# Allegro board board_orcad.brd (continued)
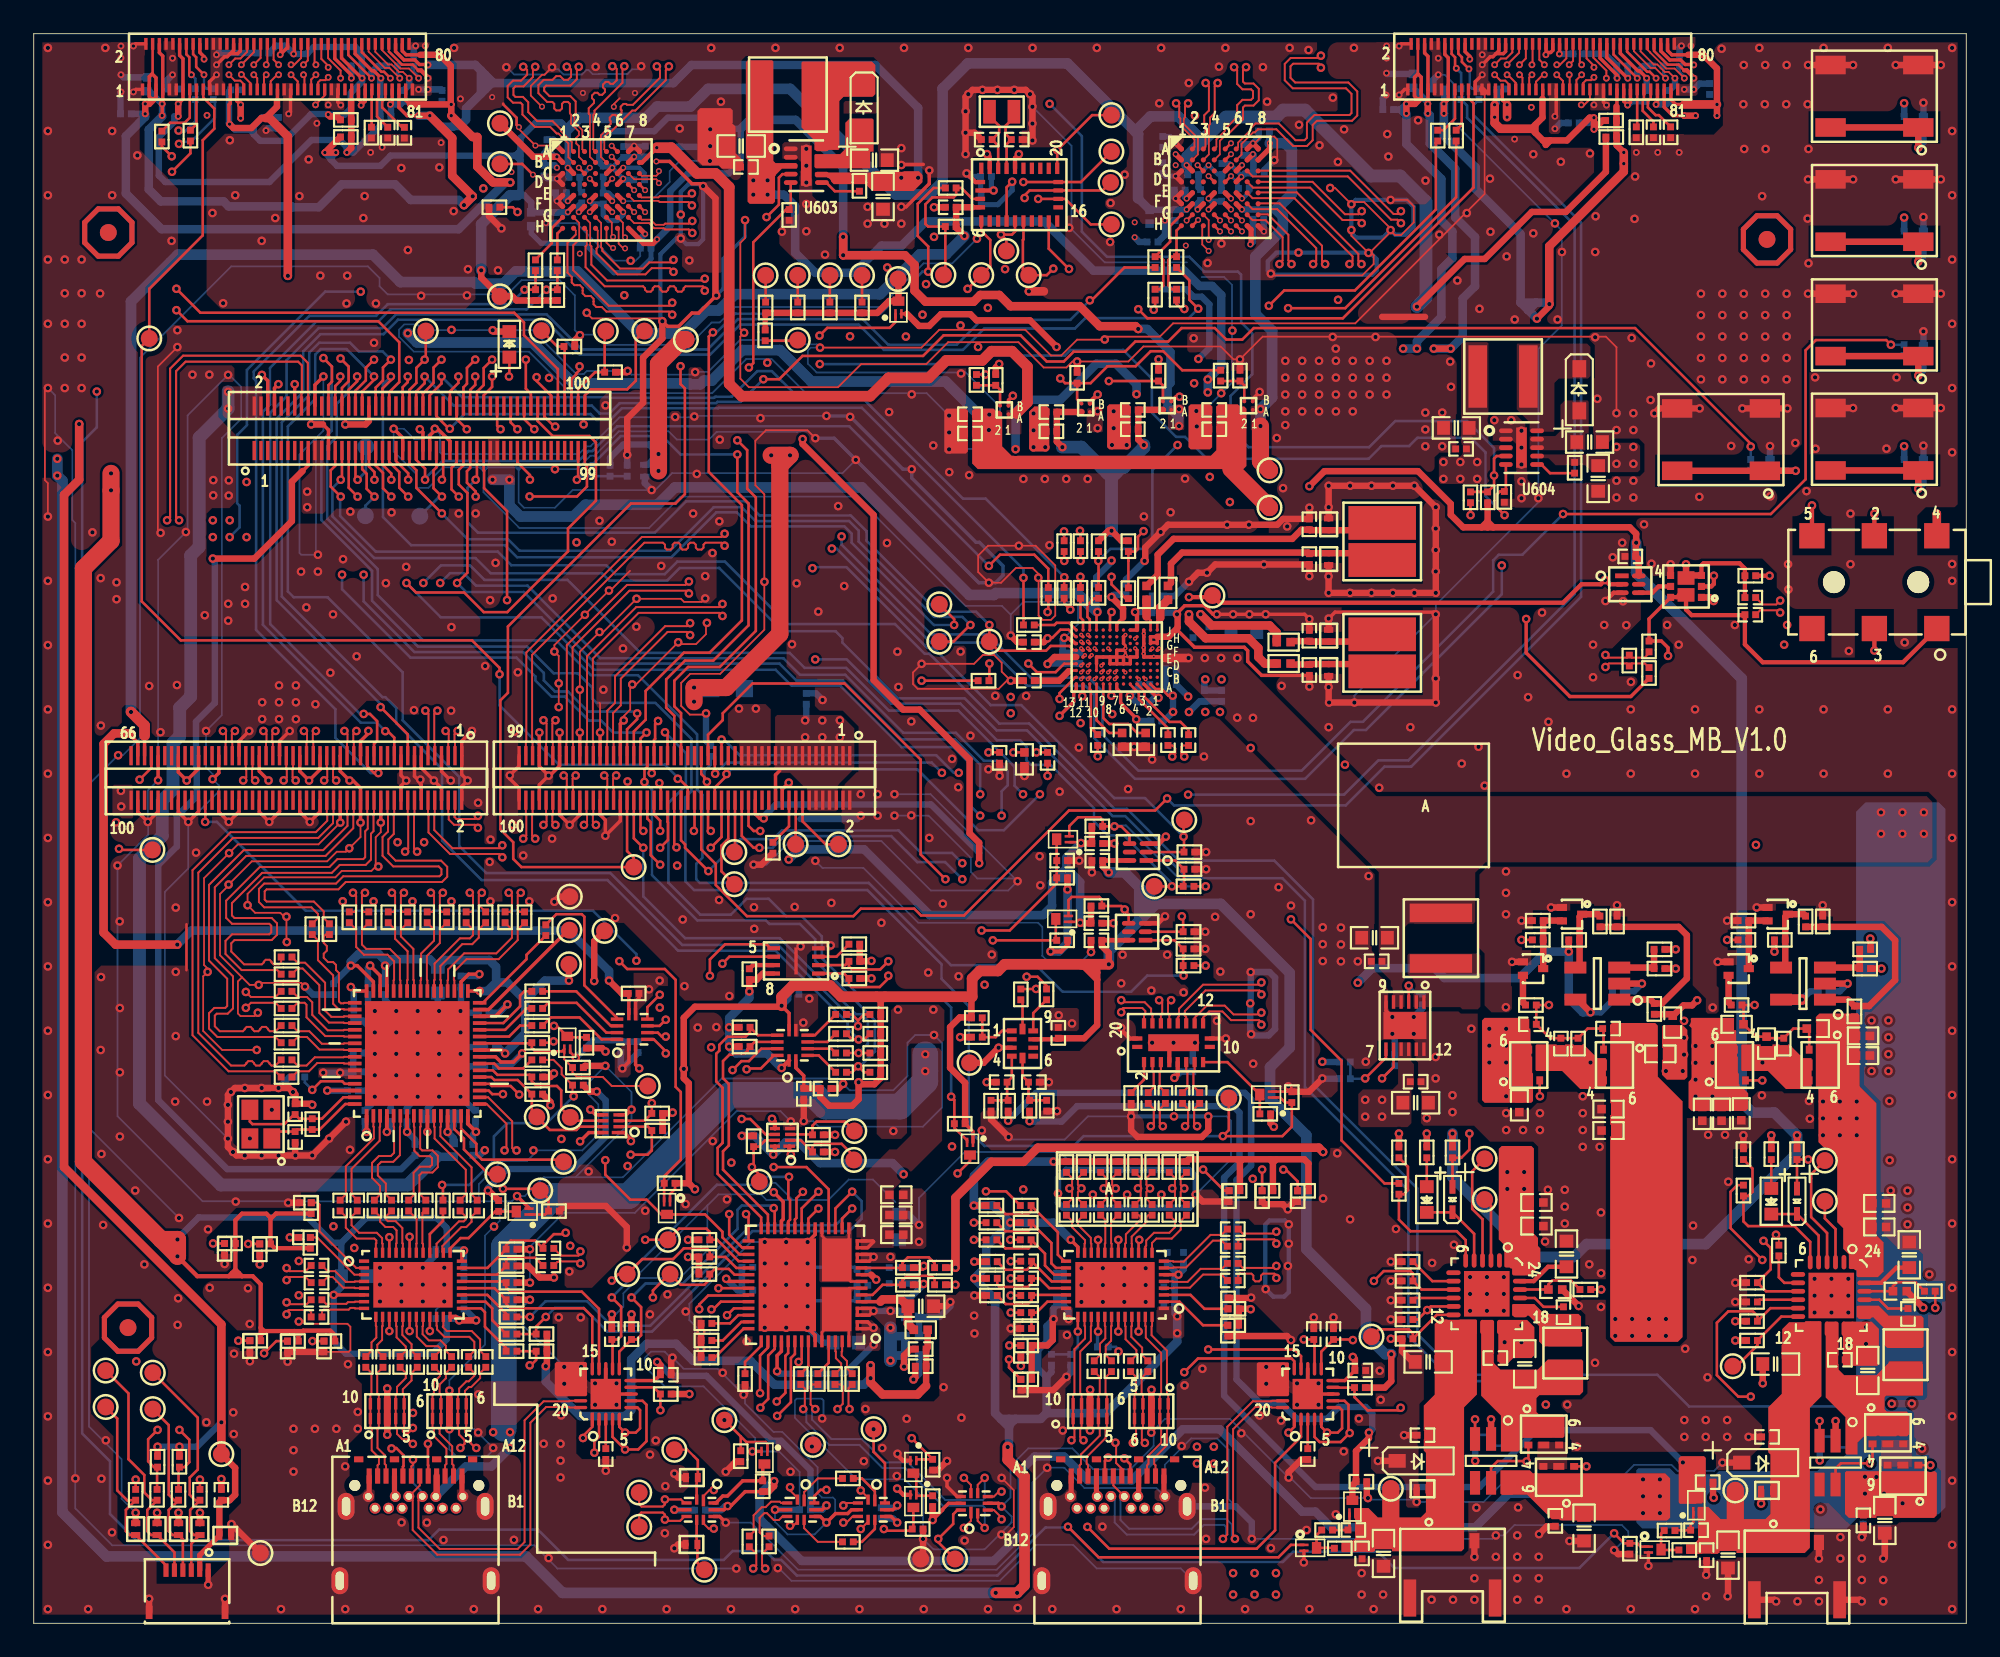
[diagram p0: board, top side]
## Nets (continued)
N1486396: C420.1 U401.5
N1486400: C421.1 U401.4
N1487145: C422.1 U401.8
N1487149: C423.1 U401.7
N1490856: C414.2 U401.19
N1491525: C415.2 U401.18
N1594937: C1003.1 U1001.B9
N1595683: C1003.2 U1001.B10
N1597637: C1005.1 U1001.A10
N1598389: C1004.1 U1001.A9
N1601393: C1006.2 U1001.A11
N1602917: C1006.1 U1001.B11
N1605053: C1007.1 U1001.C11
N1611847: R1005.2 U1001.F2
N1612628: R1006.2 U1001.F1
N1613411: R1007.2 U1001.J2
N1614196: R1008.2 U1001.J1
N1664769: C1001.1 U1001.D13 U1001.H13 U1001.J8
N1676321: C1002.1 U1001.C12
N1725409: C417.2 U401.9
N1726123: C416.2 U401.10
N1828671: C513.2 R509.2 U501.25
N1995411: R809.2 R810.2 U801.6
N2002496: R811.2 R812.2 U801.10
N3079043: C418.2 U401.13
N3080031: C419.2 U401.12
N3131959: C403.1 U402.3
N3190992: C525.2 U503.3
N3192158: C526.2 U503.4
N3193999: C527.2 U503.7
N3195170: C528.2 U503.8
N3228420: R525.2 U503.2
N3289478: C532.1 U504.3
N3400514: R513.1 R514.1 U501.29
N3513315: R1015.1 U1001.J12
N3674479: C1014.1 J1001.1 R1005.1 T1004.2
N3674483: C1013.1 J1001.2 R1006.1 T1003.2
N3685745: C1011.1 J1002.2 R1008.1 T1001.2
N3686654: C1012.1 J1002.1 R1007.1 T1002.2
N3956842: C517.1 U501.34
N3956846: C518.1 U501.33
N3960007: R516.1 R518.1 U501.26
N3960011: R515.1 R517.1 U501.27
N4063856: U1002.5 U1003.4
N4320964: C819.1 Q806.4 Q806.7 Q807.4 Q807.7 R840.2 R841.2
N4330009: C818.2 C819.2 C820.2 Q806.3 Q807.3 R840.1 R847.2
N4379007: R841.1 R843.2 U808.3
N4402137: R839.1 R844.2 R845.2 U808.1
N4405681: Q803.3 Q804.1 R846.1 R848.2
N4413317: Q803.1 R842.1 R845.1 U808.4
N4419707: Q804.3 R847.1
N4426529: C827.2 C828.2 C829.2 Q801.3 Q802.3 R850.1 R851.2
N4426571: R849.1 R855.2 R856.2 U807.1
N4426701: R857.2 R858.1 U807.3
N4426727: Q805.1 Q812.3 R852.2 R853.1
N4426765: Q805.3 R851.1
N4426875: C828.1 Q801.4 Q801.7 Q802.4 Q802.7 R850.2 R858.2
N4427111: Q812.1 R854.1 R855.1 U807.4
N4609948: C812.2 R813.2 U801.5
N4905545: R808.2 U801.55
N4905795: R807.2 U801.54
N4910945: R805.2 U801.50
N4911197: R806.2 U801.53
N5005255: Q903.4 Q903.7 Q906.4 Q906.7
N5119881: L801.2 U803.1 U803.2
N5481925: C603.1 D601.2 U603.8 U603.9
N5493847: R610.1 U603.6
N5542711: C607.1 D602.2 U604.8 U604.9
N5542719: R608.1 U604.6
N5566951: D602.1 L602.2 U604.10
N5572453: D601.1 L601.2 U603.10
N6192870: Q701.2 R706.1 R707.2 U703.4
N6558933: Q702.2 R709.1 R710.2 U704.4
N8353086: C1104.1 U1101.27 X1101.1
N8353178: R1109.1 R1110.1 TP1111.1 U1101.4
N8353236: C1105.1 U1101.26 X1101.2
N8353280: C1103.1 U1101.9
N8518121: R523.1 R524.1 U501.23
N8519947: R512.1 U501.32
N8557259: Q808.3 Q811.1 R820.2
N8604298: C1008.1 U1001.A5
N8605305: C1009.1 U1001.A4
N8711936: R819.2 U803.8
N8787935: R815.2 U802.3
N8811803: R814.2 U802.7
N8895024: R1003.2 U1001.H12
N8896588: R1004.2 U1001.F12
N8909823: C903.2 U901.23
N9698835: J1102.1 J1102.2 R1102.2 T1102.2
N9700770: J1101.1 J1101.2 R1101.2 T1101.2
N9701649: J1104.1 J1104.2 R1104.2 T1104.2
N10102285: J1103.1 J1103.2 R1103.2 T1103.2
N10154362: J1105.4 R1106.1 T1107.2 TP1103.1
N10154374: J1105.3 R1105.1 T1106.2 TP1102.1
N10154418: J1105.5 R1107.1 T1108.2 TP1104.1
N10154492: J1105.6 R1108.1 T1109.2 TP1105.1
N10693033: R1013.1 U1001.J13
N10693334: R1014.1 U1001.G11
N10697228: R1016.1 U1001.F10
N10697531: R1017.1 U1001.H11
N11232422: C911.2 R911.2 U902.22
N11232438: C910.2 L902.1 U902.19 U902.20
N11232558: C909.2 U902.23
N11232708: C913.2 C914.1 L902.2 Q904.1 Q904.2 Q904.5 Q904.6 Q904.8 U902.15 U902.16 U904.1
N11232828: C910.1 U902.21
N11232848: R908.2 U902.8
N11232852: R909.2 U902.10
N11232942: R911.1 R912.1 U902.11
N11506579: R1002.2 U1001.J11
N11507602: R1001.2 U1001.F8
N11540690: J601.14 R623.1
N11551758: J601.15 R611.1
N11552429: J601.16 R612.1
N11553825: J601.17 R613.1
N11562122: J602.17 R621.1
N11562797: J602.16 R620.1
N11563473: J602.15 R619.1
N11564150: J602.14 R618.1
N11717787: R904.2 R918.2 U901.6
N11749043: R406.1 U401.21
N11749394: R407.1 U401.22
N11749746: R408.1 U401.23
N11750099: R409.1 U401.32
N12644389: R632.1 U602.H1
N12645126: R631.1 U602.G1
N13634046: R910.2 R914.2 U902.6
N13822389: R933.2 TP905.1 U902.12
N13825666: R934.2 TP906.1 U901.12
N13955692: Q904.3 Q905.3 U904.5
N13955736: Q904.4 Q904.7 Q905.4 Q905.7
N14056750: R921.2 R922.2 U904.3
N14059137: R919.2 R920.2 U903.3
N14207457: C435.2 U401.16
N14208601: C434.2 U401.15
N14444558: LED301.1 R923.2
N14453922: LED302.1 R925.2
N14469500: J302.79 LED304.1
N14536845: Q402.3 R930.2 R937.2
N14559099: Q403.3 R931.2 R938.2
N14625751: C926.1 R928.1 R929.2 U905.5
N14625807: C925.1 R926.1 R927.2 U905.4
N14641767: J301.16 TP301.1
N14642830: J301.18 TP302.1
N14646052: J301.36 TP313.1
N14647131: J301.38 TP314.1
N14695233: R917.1 U905.9
N14695567: R907.1 U905.10
N14897144: J1106.1 J1106.2 R1111.2 T1110.2
N14915482: Q405.3 R437.2 U403.10
N15279169: R724.1 R727.2 U711.B2
N15283828: R723.2 R725.1 U710.B2
N15459534: R740.1 U705.44
N15459870: R741.1 U705.43
N15460207: R742.1 U705.42
N15460545: R743.1 U705.41
N15460884: R744.1 U705.40
N15461224: R745.1 U705.39
N15461565: R746.1 U705.38
N15461907: R747.1 U705.37
N15462250: R748.1 U705.36
N15463405: R749.1 U705.35
N15727685: TP907.1 U901.3
N15728930: TP908.1 U901.4
N15730580: TP910.1 U902.3
N15731829: TP909.1 U902.4
N15812820: R859.2 R860.1 U803.7
N16283960: R935.2 R936.2 U905.1
N16522035: R694.1 U602.D5
N16524234: R684.1 U601.D5
N16591790: TP716.1 U705.14
N16594066: TP717.1 U705.15
N16795487: R433.1 U405.7
N16795489: R432.1 U405.1
N16795507: R431.1 U404.5
N16795509: R430.1 U404.3
N16856712: C936.2 Q809.1 R937.1
N16875670: C937.2 Q810.1 R938.1

Pads without a net: J301 26 28 35 37 47 49 57; J302 1 3 5 7 9 10 11 12 13 15 22 44 58 72 75 76 77 80 81 83 85 87 89 91 93 95; J501 23 25 46 48 52 54 58 60 64 66 70 72 75 76 77 81 82 83 84 87 88 89 90 94 96 99; J601 20 26 61; J602 20 26 61; J1003 6; NOREF 1; NOREF#2 1; NOREF#3 1; NOREF#4 1; NOREF#5 1; NOREF#6 1; U401 1; U503 1 10; U601 C4 D2 D3 E3; U602 C4 D2 D3 E3; U703 5; U704 5; U901 2 7; U902 2 7; U903 4; U904 4; U905 2 6 7; U1001 A1 A6 B1 B2 B5 B6 C1 C2 C3 C4 C5 D1 D2 D3 D4 F5 F9 G4 G5 G7 G8 G9 G10 H5 H7 H8 H9 H10 J6 J9; U1003 1 5; U1101 1 7 8 12 13 15 16 21 22 23 24

## Via types
v1: diameter 0.508, hole 0.254, TOP to BOTTOM, 2157 vias
v2: diameter 0.356, hole 0.203, TOP to BOTTOM, 94 vias
v3: diameter 0.254, hole 0.102, TOP to GND02, 38 vias
v4: diameter 0.406, hole 0.203, GND02 to GND07, 13 vias
v5: diameter 0.406, hole 0.203, TOP to BOTTOM, 158 vias

## Routing (per net, layer and track width the routed paths; a pad name or vN(x,y) marks a point on that pad's centre or on a via; arc(x,y) is an arc through that point)
GND: length 5946.5
  TOP w0.102: v2(72.27,87.74) 72.38,87.74 72.77,88.14 73.53,88.14 73.71,87.96 73.71,86.92 v1(73.53,86.74) ; v1(79.12,81.24) 78.11,82.26 v1(78.11,82.6) ; v1(57.37,8.62) 58.09,7.89 58.09,5.7 57.65,5.26 v1(57.36,5.26) ; v1(16.08,37.74) 15.86,37.96 13.45,37.96 v1(13.34,37.85) 12.8,37.85 12.35,38.3 ; 86,90.78 86,84.73 78.33,77.06 67.54,77.06 66.75,76.28 63.65,76.28 v1(63.48,76.11) 63.47,76.1 61.85,76.1 60.91,75.16 60.3,75.16 58.78,76.68 53.68,76.68 52.62,75.63 v1(46.61,75.63) ; v1(39.85,53.94) 39.78,53.87 38.89,53.87 38.38,54.38 38.38,55.75 38.91,56.29 40.69,56.29 43.31,58.9 43.31,66.93 42.77,67.46 42.77,70.1 43.4,70.73 45.86,70.73 v1(46.33,70.26) ; v1(103.28,23.03) 103.44,22.87 R908.1 ; 34.73,90.41 34.39,90.06 v2(34.39,89.9) ; v1(73.33,80.01) 73.43,79.91 78.75,79.91 79.43,80.58 79.43,81.1 79.29,81.24 79.18,81.24 80.43,82.49 80.43,82.56 80.7,82.3 81.05,82.3 81.8,83.05 81.8,84 81.42,84.38 v1(80.43,84.38) ; v1(31.12,54.32) v1(31.12,55.72) 31.12,57.35 v1(30.86,57.61) 30.86,57.99 v1(34.1,61.22) 34.18,61.22 35.35,62.39 ; J601.74 21.05,93.18 ; v1(15.71,17.89) 15.97,17.89 16.1,17.75 18.59,17.75 18.77,17.58 18.77,16.19 18.67,16.09 R417.2 ; v1(39.8,60.76) 39.6,60.55 38.55,60.55 38.36,60.74 v1(35.73,60.74) 33.76,58.77 v1(33.54,58.77) 32.37,57.6 v1(32.37,55.35) v1(32.37,52.81) ; v1(100.41,1.6) 100.43,1.63 ; v1(20.57,47.47) 20.57,46.9 20.27,46.6 20.27,45.02 v1(20.43,44.86) 20.27,44.86 20.02,44.6 18.26,44.6 17.88,44.22 13.66,44.22 12.67,43.24 v1(12.67,42.57) 13.13,42.12 14.62,42.12 14.84,41.89 v1(14.98,41.89) 14.98,40.41 v1(15,40.39) ; 33.53,54.58 33.57,54.54 v1(33.57,52.81) ; v1(13.22,33.99) 11.17,33.99 10.04,35.12 10.04,38.35 v1(10.31,38.62) 10.31,38.81 10.09,39.02 10.09,44.17 v1(11.58,45.66) 12.1,46.18 16.88,46.18 v1(18.17,47.47) ; v1(0.84,73.23) 0.66,73.05 0.66,67.77 0.84,67.59 v1(0.84,65.61) ; 14.62,93 14.65,93.03 ; v2(28.76,88.7) 28.76,88.59 v2(29.74,87.6) 31,87.6 v2(31.01,87.59) ; v1(30.72,92.25) 30.28,91.8 30.13,91.8 29.46,91.14 29.46,90.57 30.12,89.91 v2(30.13,89.91) ; 74.57,31.52 R541.2 ; v1(99.58,7.44) 99.54,7.48 ; 12.35,38.3 11.04,39.6 11.04,43.24 11.55,43.74 v1(11.55,43.79) 12.93,45.17 17.39,45.17 17.96,45.74 18.5,45.74 v1(18.7,45.94) 19.37,46.61 v1(19.37,47.47) ; 12.35,38.3 12.1,38.05 12.1,36.15 12.26,36 13.09,36 v1(13.28,36.2) ; v1(76.85,85.09) 77.14,85.09 v1(78.11,84.13) 78.23,84.25 78.86,84.25 80.43,82.69 v1(80.43,82.59) ; v1(39.9,59.31) 39.85,59.25 39.85,58.64 39.26,58.05 38.31,58.05 v1(38.2,58.16) 35.7,55.66 v1(35.48,55.66) 35.36,55.53 35.36,54.16 34.97,53.78 v1(34.97,53.53) ; v1(37.26,77.19) 37.09,77.36 33.09,77.36 32.78,77.67 v1(32.78,77.69) ; v1(42.16,83.19) 42.16,82.12 41.88,81.84 41.88,76.73 v1(42.11,76.51) 41.88,76.29 41.88,73.79 42.39,73.28 47.68,73.28 49.05,74.65 52.91,74.65 54.2,75.95 58.37,75.95 59.87,74.45 61.21,74.45 61.57,74.8 v1(61.85,74.8) 64.89,74.8 65.78,75.69 70.36,75.69 71.12,74.93 v1(71.5,74.93) 72.85,76.28 93.19,76.28 93.82,75.65 v1(93.82,71.74) ; v1(8.51,75.66) 7.36,74.5 7.36,64.81 v1(7.52,64.64) ; v1(58.39,63.88) 59.39,63.88 60.55,62.71 60.55,59.74 60.3,59.49 59.82,59.49 59.56,59.74 59.56,62.2 59.21,62.56 58.22,62.56 57.34,61.69 v1(56.62,61.69) 55.98,62.32 55.98,63.3 56.57,63.88 v1(58.39,63.88) ; 57.38,56.95 57.38,56.41 v1(57.91,55.88) 57.68,55.88 57.2,55.4 52.4,55.4 52.12,55.68 52.12,56.37 v1(52.63,56.88) 55.74,56.88 56.26,57.4 56.92,57.4 57.38,56.95
  TOP w0.152: Q703.2 31.8,33.86 v1(32.13,33.53) ; J602.66 94.45,93.17 95.64,91.98 95.79,91.98 96.17,91.6 v5(96.17,91.6) ; 65.29,58.37 U1001.H4 ; 21.05,93.18 21.83,92.4 22.47,92.4 22.8,92.06 ; 9.05,41.44 9.05,38.72 ; U1001.F4 65.29,57.79 ; v5(20.02,91.6) 18.65,92.97 J601.62 ; Q503.2 74.57,31.52 ; 27.83,90.09 27.83,90.05 28.62,89.26 28.62,88.83 v2(28.76,88.7) ; U1001.A2 66.39,55.5 66.39,55.5 66.5,55.39 66.86,55.39 67.26,54.99 v1(67.51,54.99) ; J602.62 93.65,93 v5(95.05,91.6) ; J602.74 96.05,93.21 96.86,92.4 97.5,92.4 97.83,92.06 ; v5(21.14,91.6) 21.14,91.6 20.76,91.98 20.61,91.98 19.45,93.14 J601.66 ; U1001.E6 64.71,57.39 ; U1001.G6 64.71,57.97 v3(64.71,57.79) ; U1001.E5 64.82,57.28 v3(64.71,57.39) 64.71,57.57 U1001.F6 64.71,57.79 ; U1001.D10 U1001.C10
  TOP w0.203: v1(58.04,72.77) 57.78,72.51 U710.B1 ; v3(64.71,58.59) 64.6,58.48 U1001.H6 U1001.G6 ; J302.59 24.67,70.08 23.94,70.82 v1(23.77,70.82) 23.77,70.71 23.47,70.41 J302.53 ; J501.98 6.17,48.1 v1(6.76,47.51) 7.37,48.12 J501.92 ; J602.75 96.25,90.12 v5(96.17,90.04) ; v5(5.91,90.78) 6.06,90.93 6.42,90.93 ; J602.44 90.05,93.25 89.92,93.12 89.77,93.12 89.65,93 ; v1(30.52,50.25) 29.97,49.7 J301.94 ; v1(30.52,50.25) 30.59,50.25 31.17,50.83 J301.87 v1(31.17,52.81) ; v1(30.52,50.25) 29.97,50.8 J301.93 v1(29.97,52.81) ; J501.31 19.37,52.3 19.84,52.76 v1(19.84,52.9) ; U404.8 46.63,6.33 v1(46.99,5.97) 47.52,6.5 48.25,6.5 48.48,6.73 U405.4 ; v1(72.67,73) 72.26,72.59 U711.B1 ; J501.13 22.97,50.71 v1(23.72,49.96) 24.17,49.51 J501.8 ; U803.6 80.16,36.32 v1(80.53,35.94) ; U403.8 40.66,6.33 v1(41.02,5.97) ; v1(37.26,77.19) 37.57,76.89 38.23,76.89 39.01,77.67 39.42,77.67 v1(40.46,78.71) ; v5(93.86,91.6) 93.86,91.78 92.85,92.79 J602.58 ; 15.22,90.93 15.22,89.59 v5(15.11,89.48) ; Q402.2 75.29,3.61 v1(75.29,3.61) ; J601.18 9.85,93.12 10.1,92.87 v5(10.1,92.73) ; U702.4 35.12,30.14 v1(35.43,30.45) ; J601.28 11.85,93.25 11.65,93.06 ; U1001.D7 U1001.D6 ; U1001.D7 U1001.D8 U1001.E8 ; U1001.D7 U1001.E7 ; U1001.D6 U1001.D5 U1001.E5 U1001.E4 U1001.F4 ; U1001.D6 U1001.E6 U1001.E7 ; v5(80.93,93.5) 81.07,93.63 J602.2 ; J302.20 16.67,73.41 v1(17.17,73.91) ; U502.8 54.74,7.51 54.14,8.11 v1(54.14,8.62) ; v3(62.31,57.39) 62.31,57.39 U1001.E12 ; v5(18.2,90) 18.02,90.18 18.02,90.93 ; 67.81,59.02 67.81,58.86 68.81,57.86 71.75,57.86 71.96,57.66 71.96,57.02 72.79,56.19 C1014.2 ; v1(15.17,52.9) 14.57,52.3 J501.55 ; J501.26 v1(20.57,47.47) ; J501.79 9.77,50.66 v1(9.07,49.96) 8.57,50.46 J501.85 ; v5(85.86,91.8) 85.45,91.39 J602.21 ; J501.15 22.57,50.22 22.77,50.01 v1(22.92,50.01) 22.92,49.77 22.97,49.71 J501.14 ; Q403.2 v1(95.71,3.4) ; v1(25.97,52.9) 25.37,52.3 J501.1 25.37,50.31 v1(25.72,49.96) 25.37,49.61 J501.2 ; 64.71,57.39 v3(64.71,57.39) ; J501.50 15.77,48.1 v1(16.36,47.51) 16.97,48.12 J501.44 ; J501.86 8.57,48.1 v1(9.16,47.51) 9.77,48.12 J501.80 ; v1(76.76,59.56) 77.14,59.94 82.98,59.94 v1(83.11,59.82) ; v1(61.09,58.42) 61.32,58.42 61.47,58.27 61.55,58.27 61.73,58.08 U1001.G13 ; J301.99 28.77,50.82 v1(28.22,50.27) 28.22,50.06 28.77,49.51 J301.100 ; v5(85.86,92.4) 86.34,92.87 86.49,92.87 86.68,93.06 ; J301.70 34.77,47.57 v1(33.88,46.69) 33.88,47.62 33.57,47.93 J301.76 ; J602.45 90.25,89.41 v5(90.17,89.34) ; U504.8 U504.21 ; 86.68,93.06 87.12,93.06 87.25,93.19 J602.30 ; 86.68,93.06 86.85,93.23 J602.28 ; J501.37 18.17,50.51 v1(18.72,49.96) 18.92,49.96 19.37,49.51 J501.32 v1(19.37,47.47) ; J601.42 14.65,93.03 15.05,93.43 J601.44 ; J501.62 13.37,48.1 v1(13.96,47.51) 14.57,48.12 J501.56 ; U1001.B7 64.2,56.08 v3(64.09,55.97) ; J602.42 89.65,93 ; 89.65,93 v5(89.64,92.99) ; J501.49 15.77,50.51 v1(16.32,49.96) 16.97,50.61 J501.43 ; J601.75 21.25,90.15 v5(21.14,90.04) ; 6.62,93.63 6.04,93.63 v5(5.91,93.5) ; v1(75.62,59.53) 75.33,59.82 v1(73.03,59.82) v1(72.06,59.82) v1(71.09,59.82) v1(70.13,59.82) 69.9,59.82 69.39,60.33 68.22,60.33 67.81,59.91 67.81,59.88 67.77,59.84 v1(67.77,59.82) ; J301.88 31.17,47.93 v1(31.77,47.33) 32.37,47.93 J301.82 ; Q404.2 29.36,24.62 v1(28.65,25.32) ; 10.42,90.93 10.42,91.39 v5(10.83,91.8) ; J501.61 13.37,50.51 v1(13.92,49.96) ; U1001.D10 U1001.E10 U1001.E9 U1001.E8 ; J301.81 v1(32.37,52.81) ; v5(14.61,92.99) 14.62,93 ; v1(24.72,49.96) 24.17,50.51 J501.7 ; J601.58 17.85,92.76 18.83,91.78 v5(18.83,91.6) ; v5(80.93,90.6) 81.26,90.93 J602.1 ; v1(39.68,85.2) 39.54,85.34 39.01,85.34 37.69,86.66 v2(36.91,86.66) ; J301.69 34.77,53.33 v1(34.97,53.53) ; J302.45 21.87,70.28 v1(21.34,70.82) ; J501.19 21.77,50.26 v1(22.08,49.96) 21.77,49.65 J501.20 ; 64.71,57.79 v3(64.71,57.79) ; U1001.E7 U1001.E8 ; U1001.E7 U1001.F7 U1001.F6 ; J501.91 v1(7.37,49.98) ; 65.29,57.79 v3(65.29,57.8) ; U801.51 46.32,17.07 v1(45.87,17.52) ; v1(10.6,50.04) 10.97,50.41 J501.73 ; v1(51.43,83.97) 51.71,83.97 53.09,85.34 v1(53.09,86.13) ; J301.75 v1(33.57,52.81) ; J602.65 94.25,90.23 v5(94.48,90) 94.65,90.17 J602.67 ; U708.B1 67.71,72.72 v1(67.92,72.72) ; v1(44.75,49.83) 44.37,49.45 J301.22 ; Q405.2 42.6,10.19 v1(42.6,10.19) ; v5(85.13,92.73) 85.13,92.89 84.85,93.17 J602.18 ; J602.59 93.05,90.18 v5(93.23,90) ; J601.29 12.05,90.24 v5(12.27,90.02) ; v1(51.43,86.45) 51.46,86.49 52.73,86.49 ; v1(15.47,73.46) J302.14 ; U404.4 v1(43.94,6.73) ; v1(45.87,22.6) 46.32,23.05 U801.20 ; U701.7 35.68,36.87 35.88,37.07 R712.1 ; 11.65,93.06 12.09,93.06 12.25,93.21 J601.30 ; 11.65,93.06 11.47,92.87 11.31,92.87 v5(10.83,92.4) ; J601.67 19.65,90.23 19.41,89.99 v5(19.41,89.99) 19.41,90.2 19.25,90.35 J601.65 ; v5(87.34,90.02) 87.05,90.31 J602.29 ; J501.67 12.17,52.3 v1(12.77,52.9) ; U402.8 U402.21 ; v3(65.28,58.37) 65.29,58.37 ; J501.74 10.97,48.1 v1(11.56,47.51) 12.17,48.12 J501.68 ; J302.8 14.27,73.22 v1(14.5,73.46) ; v1(57.37,6.92) 57.18,7.11 U502.4 ; U403.4 v1(37.97,6.73) ; v1(51.18,5.97) 50.82,6.33 U405.8 ; J501.38 v1(18.17,47.47) ; U1001.H2 U1001.H1 U1001.G1 66.54,58.14 66.25,58.14 U1001.G2 U1001.H2
  TOP w0.229: U402.13 U402.21 ; U504.13 U504.21
  TOP w0.254: v1(55.3,85.96) 55.81,85.44 U1101.2 ; v5(23.37,91.6) 23.37,91.65 22.96,92.06 22.8,92.06 ; v1(51.2,10.05) 51.2,9.96 51.52,9.65 Q808.2 ; v1(58.39,87.1) 58.17,86.87 U1101.25 ; v1(67.56,34.42) 67.31,34.17 U503.5 ; v1(93.17,60.6) 93.66,61.09 U1003.3 ; U905.3 v1(57.19,34.12) ; U709.B1 62.61,72.39 v1(63.07,72.85) ; U503.11 v1(70.67,34.67) ; v1(64.46,35.3) 64.46,35.17 64.97,34.67 U503.20 ; v5(98.4,91.6) 98.4,91.65 97.99,92.06 97.83,92.06
  TOP w0.279: v1(67.11,46.63) 66.69,46.22 U703.3 ; U704.3 66.64,41.5 v1(67.06,41.91)
  TOP w0.305: U601.E1 v2(67.69,84.46) 67.72,84.46 U601.F1 ; U601.F5 v2(70.97,83.81) ; U601.H8 v2(72.92,82.51) ; J401.B1 25.38,7.57 J401.A12 ; U602.A8 35.9,87.28 v2(35.59,87.59) U602.A7 ; U602.H8 v2(36.24,82.36) ; U602.F1 31.04,84.31 v2(31.01,84.31) U602.E1 ; U601.F4 v2(69.64,83.81) ; J502.B1 67,7.57 J502.A12 ; U601.A1 v2(67.69,87.74) ; U602.D1 v2(31.01,85.64) 31.04,85.64 U602.C1 ; J1105.1 v1(10.34,2.28) ; J401.B12 19.88,7.57 J401.A1 ; U602.F4 v2(32.96,83.66) ; U602.F5 v2(34.29,83.66) ; U602.E5 v2(34.29,84.31) ; U601.D1 v2(67.69,85.79) 67.72,85.79 U601.C1 ; U602.A1 v2(31.01,87.59) ; U601.C6 v2(71.62,86.44) ; J502.A1 61.5,7.57 J502.B12 ; U601.E6 v2(71.62,84.46) ; U601.A7 v2(72.27,87.74) 72.58,87.43 U601.A8 ; U601.E5 v2(70.97,84.46) ; U602.E6 v2(34.94,84.31) ; U602.C6 v2(34.94,86.29)
  TOP w0.381: U407.8 v1(24.64,13.79) ; v1(113.04,92.38) J1101.3 v1(110.38,92.38) ; v1(108.36,5.11) 108.46,5.2 C920.2 ; J602.23 86,90.78 ; v1(32.37,76.36) 32.07,76.06 R306.2 ; R804.1 42.16,13.63 v1(42.08,13.55) ; v1(101.28,72.02) J1106.3 v1(103.95,72.02) ; v1(107.84,92.38) J1101.4 v1(105.18,92.38) ; C531.2 v1(75.88,18.14) ; J1105.7 v1(11.34,1.45) ; v1(15.51,27.73) v1(16.51,27.73) v1(17.51,28.73) v1(18.51,29.73) ; v1(15.51,27.73) 15.49,27.75 C701.2 ; v1(15.51,27.73) v1(14.51,27.73) v1(13.51,27.73) v1(12.51,27.73) 12.02,27.73 v1(11.81,27.94) 11.51,28.24 v1(11.51,28.73) v1(11.51,29.73) v1(11.51,30.73) 11.51,31.32 v1(11.68,31.5) 11.92,31.73 v1(12.51,31.73) v1(13.51,31.73) v1(14.51,31.73) 15.13,31.73 v1(15.37,31.5) 15.51,31.35 15.51,30.82 C702.2 16.44,30.8 v1(16.51,30.73) ; R415.2 v1(15.08,24.93) ; v1(30.86,42.77) 31.17,43.08 TP715.1 ; J902.2 v1(105.82,3.84) ; v1(110.38,72.04) J1103.3 v1(113.04,72.04) ; v1(55.24,88.37) v1(55.24,89.64) 55.24,90.49 v1(55.4,90.65) 55.65,90.91 v1(56.24,90.91) v1(57.12,90.91) v1(58.12,90.91) 58.8,90.91 v1(59.05,90.65) 59.2,90.51 v1(59.2,89.91) v1(59.2,88.91) v1(59.2,87.91) 59.15,87.96 C1105.2 ; v1(55.24,88.37) 55.76,88.37 C1104.2 ; v1(55.24,88.37) v1(55.24,87.1) ; C921.1 91.04,4.88 v1(91.03,4.88) ; v1(98.75,72.02) J1106.4 96.36,72.02 v1(96.06,71.73) ; R717.1 v1(69.49,44.7) ; v1(69.62,30.05) 69.62,29.21 69.24,28.83 65.43,28.83 65.05,29.21 v1(65.05,30.05) R525.1 ; R301.2 35.13,74.17 v1(35.2,74.24) ; TP1106.1 v1(11.72,5.88) 11.7,5.86 T1105.1 ; R708.2 v1(69.49,45.72) ; U1002.1 99.36,60.82 v1(99.58,60.6) ; v1(35.15,22.28) 35.15,23.5 33.91,24.74 31.46,24.74 R435.2 ; J901.2 v1(85.4,3.94) ; v1(93.68,4.33) 93.91,4.1 R932.2 ; C912.2 v1(102.49,14.23) ; C402.2 v1(34.26,18.31) ; U406.8 v1(20.95,13.92) ; C911.1 v1(112,18.71) ; v1(27.72,82.69) 26.98,83.43 R694.2 ; v1(75.62,66.14) C1012.2 74.06,65.47 73.71,65.13 v1(72.03,65.13) v1(70.74,65.13) 67.23,65.13 v1(66.8,64.69) 65.89,63.78 65.89,63.02 v1(65.85,62.98) ; D606.1 v1(100.1,9.53) ; v1(74.39,8.64) 74.39,8.96 75.14,9.71 C532.2 ; v1(37.97,8.87) 38.21,8.64 T409.1 ; v1(66.24,11.3) 66.25,11.31 U506.8 ; R856.1 v1(106.05,42.57) ; R423.2 v1(15.18,22.88) ; T1002.1 v1(76.76,66.17) v1(76.76,67.44) v1(78.03,67.44) v1(79.3,67.44) v1(80.57,67.44) v1(81.84,67.44) v1(83.11,66.17) v1(83.11,64.9) v1(83.11,63.63) v1(83.11,62.36) v1(83.11,61.09) v1(81.84,61.09) v1(80.57,61.09) v1(79.3,61.09) v1(78.03,61.09) v1(76.76,61.09) 76.75,61.09 v1(76.75,62.06) 76.76,62.06 T1001.1 ; v1(57.23,74.66) 57.02,74.45 R723.1 ; v1(54.33,19.05) 54.08,18.8 C812.1 ; v1(68.87,25.42) 69.29,25 R540.2 ; v1(105.18,85.6) J1104.4 v1(107.84,85.6) ; C835.2 51.97,16.26 51.59,15.88 v1(51.59,15.21) ; R933.1 v1(100.86,16.76) ; R843.1 v1(97.33,38.81) ; C706.2 v1(64.06,46.23) ; R719.1 v1(69.44,39.98) ; C707.2 v1(62.72,44.52) ; U505.3 v1(62.61,11.43) ; v1(68.48,61.75) 69.01,62.28 v1(69.55,62.28) 70.03,62.77 v1(72.92,62.77) C1011.2 75.62,62.08 v1(75.61,62.08) ; C1001.2 58.3,58.17 v1(57.91,58.56) ; LED304.2 27.28,76.58 v1(27.2,76.66) ; TP404.1 52.72,3.95 v1(52.72,5) R821.2 ; v1(103.28,1.3) 103.18,1.39 J902.4 ; v1(109.63,3.84) 109.73,3.93 C918.1 ; v1(110.38,85.6) J1104.3 v1(113.04,85.6) ; v1(83.11,59.82) v1(83.11,56.01) v1(83.11,54.58) v1(78.28,54.58) v1(76.78,54.58) 76.76,54.61 v1(76.76,55.5) T1004.1 ; R810.1 52.7,20.07 v1(52.76,20.12) ; R812.1 52.65,21.08 v1(52.76,21.18) ; C404.2 37.79,15.67 v1(37.86,15.75) ; R852.1 v1(100.38,41.66) ; v1(113.04,78.82) J1102.3 v1(110.38,78.82) ; C403.2 v1(33.91,9.04) ; R718.1 v1(69.44,41) ; T410.1 38.2,4.67 v1(37.97,4.45) ; R413.2 v1(11.31,21.3) ; Q812.2 v1(102.13,42.44) ; C708.2 v1(62.67,39.79) ; C530.2 v1(77.05,18.14) ; U807.2 v1(107.52,37.92) ; D605.1 v1(79.68,9.63) ; J902.3 108.26,1.39 v1(108.36,1.3) ; U506.3 66.25,13.84 v1(66.26,13.84) ; v1(37.26,77.19) 37.26,76.17 36.12,75.03 36.12,72.36 35.18,71.42 v1(35.18,69.27) ; C728.2 v1(61.98,45.21) ; R404.1 v1(29.41,20.19) ; R822.2 53.6,9.08 v1(54.14,9.62) ; R536.2 74.72,25 74.34,24.62 v1(74.34,24.54) 74.04,24.84 72.97,24.84 R528.2 ; R727.1 v1(71.5,74.93) ; v1(42.67,44.97) 43.14,44.97 R305.2 ; R909.1 v1(100.86,19.05) ; R532.2 60.43,13.82 v1(61.21,14.61) ; v1(105.18,78.82) J1102.4 v1(107.84,78.82) ; C922.2 89.7,5.75 v1(89.23,5.28) ; R906.2 v1(80.44,18.01) ; R417.2 15.05,16.09 R419.2 v1(15.05,15.51) ; T1003.1 v1(76.76,59.56) ; U1002.4 v1(97.03,62.78) ; C1106.1 v1(11.12,8.55) ; U903.2 v1(86.39,12.09) ; v1(79.12,81.24) 79.18,81.24 ; R530.2 74.28,17.03 v1(74.52,16.79) ; R915.1 v1(100.86,20.19) ; R912.2 v1(100.86,17.91) ; 100.43,1.63 C932.1 ; T1109.1 v1(6.04,6.55) ; v1(41.02,8.98) 41.62,9.59 R434.2 ; U1001.H1 67.27,58.48 67.81,59.02 67.81,59.78 v1(67.77,59.82) ; Q804.2 v1(87.63,39.21) ; R902.1 v1(80.44,21.44) ; T901.1 v1(81.97,7.19) ; T1108.1 v1(7.31,6.55) ; v1(57.19,34.12) 56.3,33.22 TP913.1 ; J1105.8 v1(6.84,1.45) ; C705.2 v1(64.01,41.5) ; v1(33.88,33.05) 32.68,33.05 R754.2 ; R926.2 56.74,29.87 v1(57.78,28.83) ; C1013.2 v1(75.62,59.53) ; U505.8 62.61,13.84 v1(62.62,13.84) ; v1(76.38,32.3) 75.59,31.51 R541.2 ; R721.1 v1(61.85,74.8) ; R928.2 v1(60.66,30.36) ; C1014.2 v1(75.62,55.53) ; v5(12.27,90.02) v5(12.27,89.22) ; R903.1 v1(80.44,19.15) ; v1(53.37,83.95) C1102.2 ; C1010.2 v1(57.91,55.88) ; T1106.1 v1(9.85,6.55) ; C928.2 79.02,7.49 v1(79.09,7.42) ; C926.2 v1(60.17,32.08) ; v1(52.15,14.45) 52.26,14.56 C836.2 ; R844.1 v1(93.85,42.57) ; 82.47,77.45 79.93,77.45 ; R848.1 v1(88.19,41.66) ; C1002.2 v1(57.25,50.24) ; v1(80.44,16.87) R934.1 81.11,16.12 81.74,15.49 C906.2 ; C931.2 99.16,2.9 v1(99.14,2.87) ; R904.1 v1(80.92,29.03) ; R910.1 v1(101.35,28.93) ; R405.1 v1(29.41,19.18) ; 99.54,7.48 C933.2 ; C934.2 v1(81.23,11.15) ; U904.2 v1(106.81,11.99) ; C832.2 v1(45.64,29.77) ; R801.1 v1(39.56,17.27) R802.1 R803.1 ; v1(72.16,19.3) 72.14,19.28 R538.2 ; T902.1 v1(102.39,7.09) ; R916.1 v1(80.44,20.29) ; R722.1 v1(66.67,74.93) ; R515.2 v1(57.91,17.48) ; C935.2 v1(101.65,11.05) ; v1(47.98,31.98) 47.7,31.7 C833.2 ; R534.2 v1(58.51,15.26) ; Q803.2 v1(89.94,42.44) ; U407.3 v1(24.64,11.51) ; C401.2 v1(35.43,18.31) ; Q805.2 v1(99.82,39.21) ; R857.1 v1(109.52,38.81) ; R936.1 v1(54.91,34.75) ; v1(39.68,85.2) 40.41,84.47 40.41,78.76 v1(40.46,78.71) ; U808.2 v1(95.33,37.92) ; R421.2 v1(13.4,21.27) ; R510.1 v1(55.75,21.44) ; J1103.4 v1(107.84,72.04) ; C925.2 v1(56.49,32.08) ; R425.2 v1(12.81,15.53) ; R516.2 v1(55.75,19.43) ; C905.1 v1(91.58,18.81) ; R411.2 v1(29.41,22.17) ; U406.3 v1(20.95,11.18) ; T1107.1 v1(8.58,6.55) ; 80.43,82.56 v1(80.43,82.59)
  TOP w0.508: C1005.2 v1(65.23,51.96) C1004.2 ; v5(87.34,90.02) v5(87.34,89.29) ; v1(58.99,78.96) 59.88,78.96 ; C1007.2 v1(58.72,50.24)
  GND02 w0.127: v4(61.06,56.88) 61.29,56.88 61.8,57.39 v3(62.31,57.39)
  GND02 w0.203: v1(64.97,54.99) 64.74,55.22 64.74,55.31 v3(64.09,55.97)
  GND02 w0.381: 61.77,7.87 61.45,7.55 J502.B12